# Altium PCB DC Battery Capacity Tester V1.2.PcbDoc (part 2 of 2) (continued)
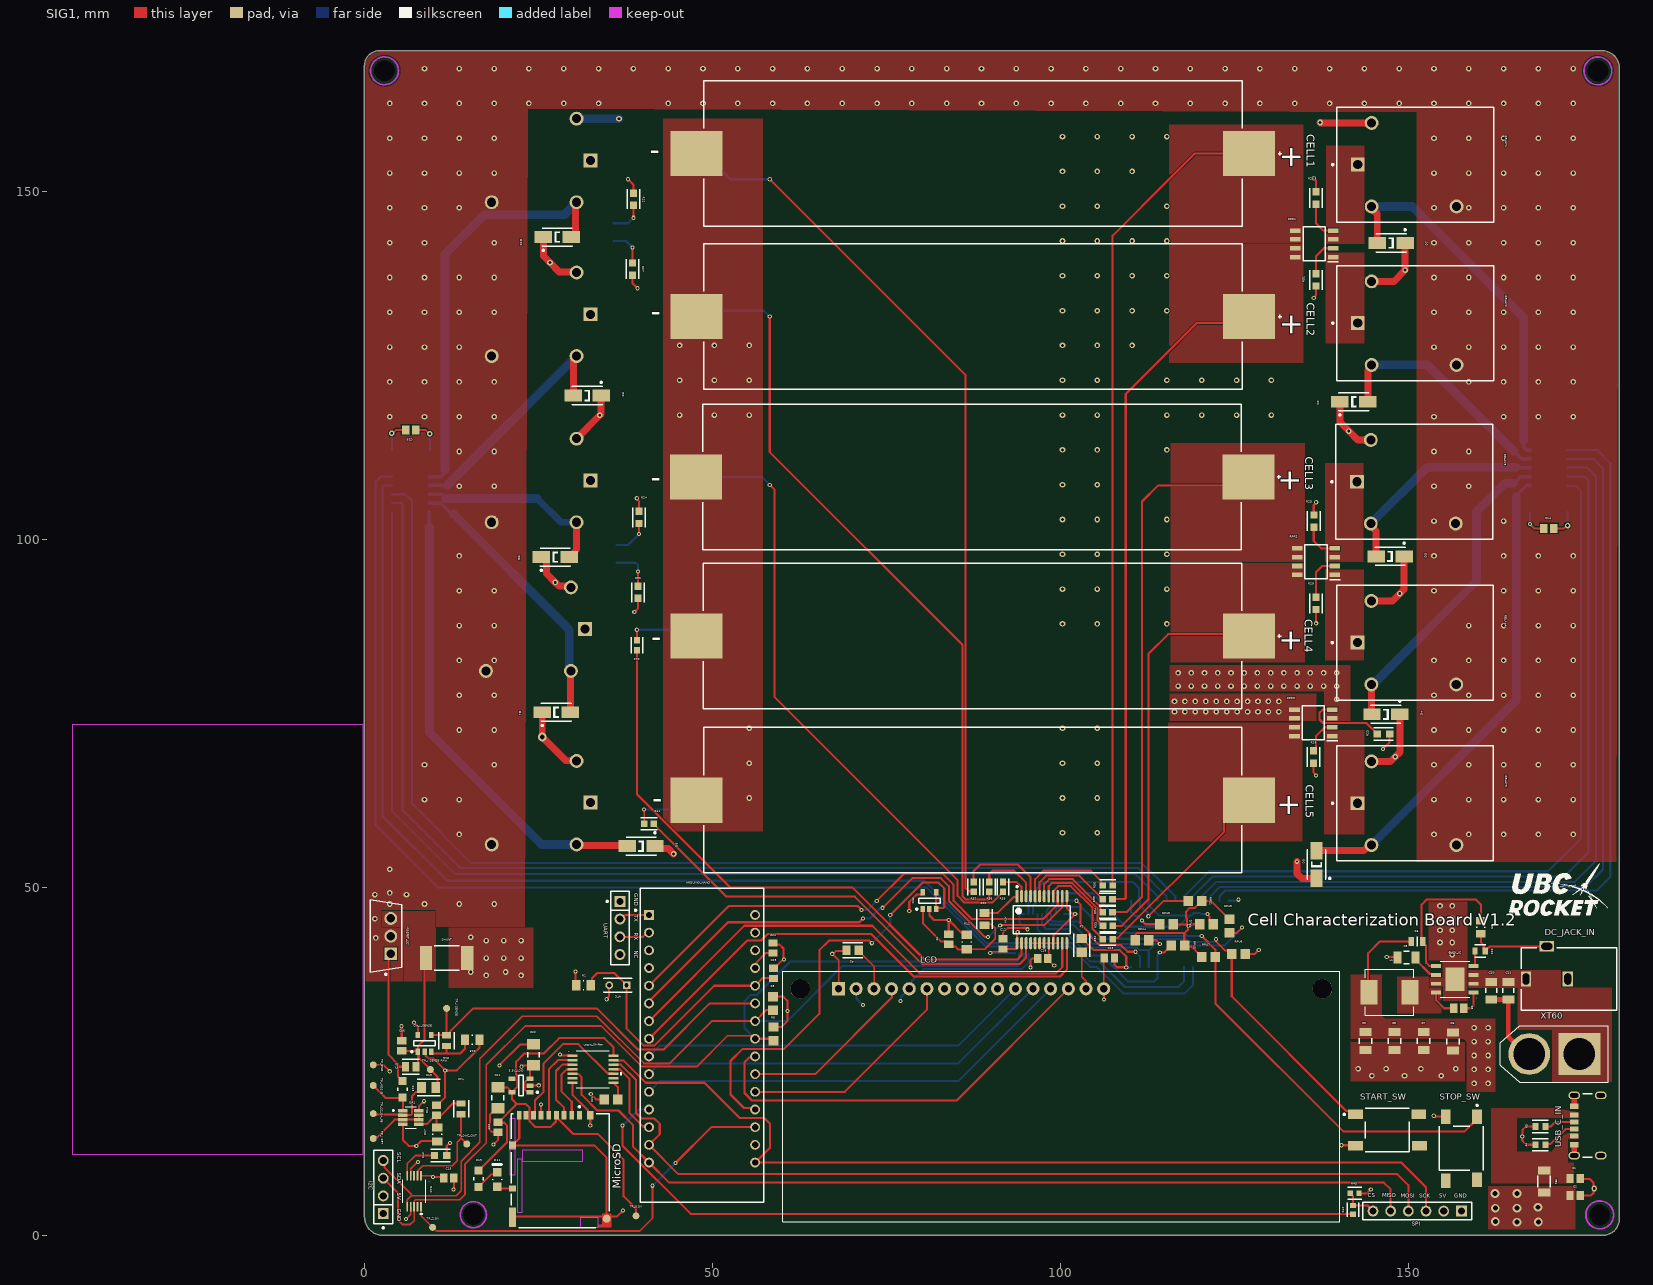
[diagram p0: SIG1 view]
## Nets (pads, with @x,y where several pads share a name; then routed paths per layer and width w, separated by ;. In a path a pad name is that pad's centre, name@x,y a point inside that pad or via, vN(x,y) a via of type N, cw(c..) or ccw(c..) an arc to the next point about the centre after c; other vN are vias at no path point) (continued)
  SIG2 w1.25: RELAY5.2@144.648,56.061 165.45,76.863 165.45,106.1
NetD6_1: D6.1 RELAY6.2 RELAY_DRIVER_2.16 | length 66.8
  SIG1 w1: RELAY6.2@30.472,56.143 30.591,56.024 37.607,56.024 D6.1@37.726,55.905
  SIG2 w0.5: 9.329,101.715 RELAY_DRIVER_2.16@9.329,103.911
  SIG2 w1.25: 9.329,101.715 9.329,72.281 25.467,56.143 RELAY6.2@30.472,56.143
NetD7_1: D7.1 RELAY7.2 RELAY_DRIVER_2.15 | length 39.6
  SIG1 w1: D7.1@29.534,75.133 29.59,75.189 29.59,81.015 RELAY7.2@29.646,81.071
  SIG2 w0.5: RELAY_DRIVER_2.15@9.329,105.181 9.379,105.131 10.975,105.131 12.5,103.607 12.776,103.607
  SIG2 w1.25: 12.776,103.607 29.404,86.978 29.404,81.843 29.503,81.745 29.503,81.215 RELAY7.2@29.646,81.071
NetD8_1: D8.1 RELAY8.2 RELAY_DRIVER_2.14 | length 28.5
  SIG1 w1: D8.1@29.404,97.415 29.804,97.415 30.154,97.765 30.154,98.165 30.472,98.482 RELAY8.2@30.472,102.423
  SIG2 w0.5: RELAY_DRIVER_2.14@9.329,106.451 11.091,106.451 11.705,105.837
  SIG2 w1: 24.795,105.837 28.21,102.423 RELAY8.2@30.472,102.423
  SIG2 w1.25: 11.705,105.837 24.795,105.837
NetD9_1: D9.1 RELAY9.2 RELAY_DRIVER_2.13 | length 34.7
  SIG1 w1: D9.1@30.004,120.625 30.004,125.56 30.472,126.027 RELAY9.2@30.472,126.298
  SIG2 w0.5: RELAY_DRIVER_2.13@9.329,107.721 11.887,107.721
  SIG2 w1.25: 11.887,107.721 11.895,107.721 RELAY9.2@30.472,126.298
NetD10_1: D10.1 RELAY10.2 RELAY_DRIVER_2.12 | length 60.9
  SIG1 w1: D10.1@29.686,143.383 29.93,143.383 30.28,143.733 30.28,148.201 RELAY10.2@30.472,148.392
  SIG2 w0.5: RELAY_DRIVER_2.12@9.329,108.991 11.03,108.991 11.557,109.518
  SIG2 w1.25: 11.557,109.961 11.557,140.945 17.204,146.592 28.672,146.592 RELAY10.2@30.472,148.392
NetD11_1: D11.1 MicroSD.10 | length 2.3
  SIG1 w0.25: D11.1@19.062,6.952 19.289,6.725 MicroSD.10@21.275,6.725
NetD11_2: D11.2 R19.1 | length 3.5
  SIG1 w0.25: R19.1@16.4,6.954 18.234,8.788 18.798,8.788 D11.2@19.062,9.052
NetDAC_2: DAC.2 pad.TP_3.3V@14.692,13.118 R14.2 | length 15.1
  SIG1 w0.25: DAC.2@7.642,8.541 7.652,8.552 7.652,9.268 8.361,9.977 12.629,9.977 13.338,10.686 13.338,13.373 13.888,13.923
  SIG1 w0.3: R14.2@13.888,17.378 13.888,13.923 pad.TP_3.3V@14.692,13.118
NetDAC_5: DAC.5 R12.2 | length 6.1
  SIG1 w0.25: DAC.5@6.142,8.541 6.152,8.552 6.152,10.317 7.288,11.453 R12.2@10.035,11.453
NetI2C_EXPANDER_8: I2C_EXPANDER.8 LINE_DECODER.23 RPU5.1 | length 55.5
  SIG1 w0.3: v2(102.291,48.058) 102.822,47.528 102.822,44.727 104.043,43.505 104.043,43.194 105.542,41.695 108.656,41.695 109.626,40.725 v2(110.74,40.725) ; RPU5.1@124.257,43.44 125.304,43.44 v2(126.06,44.196)
  SIG2 w0.3: v2(102.291,48.058) 102.284,48.066 99.334,48.066 98.117,46.849 98.117,46.718 97.957,46.558 I2C_EXPANDER.8@97.957,46.158 98.007,46.108 98.007,45.073 98.478,44.602 101.836,44.602 104.585,41.853 112.266,41.853 112.962,42.549 117.372,42.549 118.307,41.614 123.478,41.614 v2(126.06,44.196) ; v2(110.74,40.725) 111.379,40.086 LINE_DECODER.23@111.379,38.558
NetI2C_EXPANDER_9: I2C_EXPANDER.9 RPU6.1 START_SW.1 | length 60.6
  SIG1 w0.3: v2(122.335,42.52) 122.359,42.496 122.359,42.154 123.628,40.885 124.096,40.885 RPU6.1@124.577,40.403 124.577,34.325 141.043,17.86 141.857,17.86 START_SW.1@142.343,17.373
  SIG2 w0.3: I2C_EXPANDER.9@98.607,46.158 98.607,45.308 98.816,45.099 102.449,45.099 104.953,42.596 112.387,42.596 112.779,42.989 117.554,42.989 118.434,42.109 121.924,42.109 v2(122.335,42.52)
NetI2C_EXPANDER_10: I2C_EXPANDER.10 RPU7.1 STOP_SW.1 | length 80.3
  SIG1 w0.3: v2(120.269,42.989) 122.224,41.034 RPU7.1@122.224,40 122.224,33.3 140.601,14.923 158.03,14.923 159.811,16.705 STOP_SW.1@159.811,17.055
  SIG2 w0.3: I2C_EXPANDER.10@99.257,46.158 99.307,46.208 99.307,46.808 99.658,47.159 102.955,47.159 106.686,43.429 117.736,43.429 118.176,42.989 v2(120.269,42.989)
NetLCD_3: LCD.3 R2.2 | length 6.4
  SIG1 w0.25: R2.2@70.997,40.928 70.997,40.825 73.207,38.615 LCD.3@73.207,35.414
NetLCD_15: LCD.15 R7.2 | length 4.8
  SIG1 w0.25: R7.2@103.022,40.678 103.022,37.162 103.687,36.498 LCD.15@103.687,36.201
NetLINE_DECODER_1: LINE_DECODER.1 RPU8.2 | length 6.5
  SIG1 w0.3: v2(111.674,45.234) 111.674,45.181 112.177,44.679 RPU8.2@114.244,44.679
  SIG2 w0.3: LINE_DECODER.1@110.109,48.058 110.109,46.411 110.679,45.842 111.066,45.842 v2(111.674,45.234)
NetLogic_Shifter_2: Logic_Shifter.2 MicroSD.5 | length 10.5
  SIG1 w0.3: MicroSD.5@26.475,17.225 26.475,23.835 27.799,25.159 Logic_Shifter.2@29.865,25.159
NetLogic_Shifter_3: Logic_Shifter.3 MicroSD.3 | length 9.6
  SIG1 w0.3: MicroSD.3@28.675,17.225 28.675,18.298 27.511,19.462 27.511,23.597 28.424,24.509 Logic_Shifter.3@29.865,24.509
NetLogic_Shifter_4: Logic_Shifter.4 MicroSD.2 | length 8.3
  SIG1 w0.3: MicroSD.2@29.775,17.225 29.775,19.191 28.325,20.641 28.325,23.11 29.047,23.832 29.838,23.832 Logic_Shifter.4@29.865,23.859
NetLogic_Shifter_8: Logic_Shifter.8 R21.1 | length 2.6
  SIG1 w0.3: Logic_Shifter.8@35.765,21.909 36.4,21.274 R21.1@36.4,19.529
NetLogic_Shifter_10: Logic_Shifter.10 MicroSD.7 | length 21
  SIG1 w0.3: MicroSD.7@24.275,17.225 24.475,17.425 24.475,19.36 25.725,20.61 25.725,24.692 28.49,27.457 30.729,27.457 34.949,23.237 35.738,23.237 Logic_Shifter.10@35.765,23.209
NetMOSFET_CC_2: MOSFET_CC.2 RELAY1.3 RELAY2.3 RELAY3.3 RELAY4.3 RELAY5.3 RELAY6.3 RELAY7.3 RELAY8.3 RELAY9.3 RELAY10.3
  other v1: 1.626,42.723 1.499,45.466 3.623,47.586 8.623,47.586 13.623,47.586 18.623,47.586 1.499,48.946 6.034,48.946 3.623,49.174 3.623,52.586 13.623,57.586 153.623,57.586 158.623,57.586 163.623,57.586 168.623,57.586 173.623,57.586 8.623,62.586 13.623,62.586 153.623,62.586 158.623,62.586 163.623,62.586 168.623,62.586 173.623,62.586 8.623,67.586 18.623,67.586 153.623,67.586 158.623,67.586 163.623,67.586 168.623,67.586 173.623,67.586 13.623,72.586 18.623,72.586 153.623,72.586 158.623,72.586 163.623,72.586 168.623,72.586 173.623,72.586 13.623,77.586 18.623,77.586 153.623,77.586 158.623,77.586 163.623,77.586 168.623,77.586 173.623,77.586 13.623,82.586 18.623,82.586 153.623,82.586 158.623,82.586 163.623,82.586 168.623,82.586 173.623,82.586 13.623,87.586 18.623,87.586 158.623,87.586 163.623,87.586 168.623,87.586 173.623,87.586 13.623,92.586 18.623,92.586 153.623,92.586 163.623,92.586 168.623,92.586 173.623,92.586 13.623,97.586 153.623,97.586 163.623,97.586 168.623,97.586 173.623,97.586 153.623,102.586 163.623,102.586 13.623,107.586 18.623,107.586 153.623,107.586 158.623,107.586 13.623,112.586 18.623,112.586 153.623,112.586 158.623,112.586 3.623,117.586 8.623,117.586 13.623,117.586 18.623,117.586 153.623,117.586 163.623,117.586 168.623,117.586 173.623,117.586 3.623,122.586 8.623,122.586 13.623,122.586 18.623,122.586 158.623,122.586 163.623,122.586 168.623,122.586 173.623,122.586 3.623,127.586 8.623,127.586 13.623,127.586 153.623,127.586 158.623,127.586 163.623,127.586 168.623,127.586 173.623,127.586 3.623,132.586 8.623,132.586 13.623,132.586 18.623,132.586 153.623,132.586 158.623,132.586 163.623,132.586 168.623,132.586 173.623,132.586 3.623,137.586 8.623,137.586 13.623,137.586 18.623,137.586 153.623,137.586 158.623,137.586 163.623,137.586 168.623,137.586 173.623,137.586 3.623,142.586 8.623,142.586 18.623,142.586 153.623,142.586 158.623,142.586 163.623,142.586 168.623,142.586 173.623,142.586 3.623,147.586 8.623,147.586 13.623,147.586 153.623,147.586 158.623,147.586 163.623,147.586 168.623,147.586 173.623,147.586 3.623,152.586 8.623,152.586 13.623,152.586 18.623,152.586 153.623,152.586 158.623,152.586 163.623,152.586 168.623,152.586 173.623,152.586 3.623,157.586 8.623,157.586 13.623,157.586 18.623,157.586 153.623,157.586 158.623,157.586 163.623,157.586 168.623,157.586 173.623,157.586 3.623,162.586 8.623,162.586 13.623,162.586 18.623,162.586 23.623,162.586 28.623,162.586 33.623,162.586 43.623,162.586 48.623,162.586 53.623,162.586 58.623,162.586 63.623,162.586 68.623,162.586 73.623,162.586 78.623,162.586 83.623,162.586 88.623,162.586 93.623,162.586 98.623,162.586 103.623,162.586 108.623,162.586 113.623,162.586 118.623,162.586 123.623,162.586 128.623,162.586 133.623,162.586 138.623,162.586 143.623,162.586 148.623,162.586 153.623,162.586 158.623,162.586 163.623,162.586 168.623,162.586 173.623,162.586 8.623,167.586 13.623,167.586 18.623,167.586 23.623,167.586 28.623,167.586 33.623,167.586 38.623,167.586 43.623,167.586 48.623,167.586 53.623,167.586 58.623,167.586 63.623,167.586 68.623,167.586 73.623,167.586 78.623,167.586 83.623,167.586 88.623,167.586 93.623,167.586 98.623,167.586 103.623,167.586 108.623,167.586 113.623,167.586 118.623,167.586 123.623,167.586 128.623,167.586 133.623,167.586 138.623,167.586 143.623,167.586 148.623,167.586 153.623,167.586 158.623,167.586 163.623,167.586 168.623,167.586 173.623,167.586
NetMUX_1: MUX.1 R10.2 | length 5.7
  SIG1 w0.3: R10.2@89.07,46.309 90.966,46.309 93.25,48.593 93.675,48.593 93.732,48.651 MUX.1@93.732,48.707
NetMUX_2: MUX.2 R39.2 | length 4.8
  SIG1 w0.3: R39.2@91.712,50.74 93.684,50.74 94.36,50.063 94.36,48.214 MUX.2@94.382,48.192
NetMUX_3: MUX.3 R38.2 | length 9.7
  SIG1 w0.3: R38.2@89.738,50.74 89.738,51.906 90.194,52.362 93.305,52.362 95.032,50.635 MUX.3@95.032,48.315
NetMUX_4: MUX.4 R37.2 | length 14.3
  SIG1 w0.3: R37.2@87.507,50.756 87.507,52.324 88.447,53.264 93.83,53.264 95.682,51.412 MUX.4@95.682,48.017
NetMUX_5: MUX.5 R36.2 | length 14.5
  SIG1 w0.3: MUX.5@96.332,48.032 96.332,51.166 97.528,52.362 104.338,52.362 105.771,50.929 105.771,50.545 R36.2@106.065,50.251
NetMUX_6: MUX.6 R35.2 | length 12.9
  SIG1 w0.3: MUX.6@96.982,48.707 96.982,50.716 97.93,51.664 102.664,51.664 105.711,48.616 105.711,48.593 106.017,48.287 R35.2@106.04,48.287
NetMUX_7: MUX.7 R34.2 | length 12.7
  SIG1 w0.3: MUX.7@97.632,48.707 97.632,50.446 98.352,51.166 101.75,51.166 105.711,47.205 105.711,46.706 105.953,46.464 R34.2@106.065,46.464
NetMUX_8: MUX.8 R33.2 | length 13
  SIG1 w0.3: MUX.8@98.282,48.707 98.29,48.715 98.29,50.159 98.766,50.635 101.617,50.635 105.271,46.98 105.271,45.234 105.97,44.535 R33.2@106.065,44.535
NetMUX_9: MUX.9 R32.2 | length 13.1
  SIG1 w0.3: MUX.9@98.932,48.707 98.932,49.407 99.085,49.559 99.085,49.582 99.653,50.15 101.464,50.15 104.585,47.029 104.585,43.997 105.736,42.847 105.736,42.824 106.042,42.518 R32.2@106.065,42.518
NetMUX_22: MUX.22 R41.2 | length 64.3
  SIG1 w0.25: R41.2@41.571,59.131 41.594,59.131 41.925,58.8 41.925,58.714 42.649,57.99
  SIG1 w0.3: 42.649,57.99 44.857,55.782 51.996,48.643 70.437,48.643 80.128,38.951 94.081,38.951 95.032,39.902 MUX.22@95.032,41.956
NetMUX_23: MUX.23 R40.2 | length 87.7
  SIG1 w0.3: R40.2@39.141,84.058 39.141,63.377 52.574,49.944 70.121,49.944 80.442,39.624 93.74,39.624 94.382,40.267 MUX.23@94.382,41.956
NetOA_I_SENSE_3: OA_I_SENSE.3 R16.2 R18.1 | length 7.7
  SIG1 w0.25: 11.756,26.107 11.763,26.114 R16.2@11.763,27.181
  SIG1 w0.3: OA_I_SENSE.3@9.575,26.382 9.575,26.282 9.75,26.107 11.756,26.107 13.761,26.107 14.442,26.789 R18.1@14.442,28.082
NetR3_2: R3.2 USB_C_IN.A5 | length 4.4
  SIG1 w0.3: R3.2@169.685,15.623 170.386,15.623 171.036,16.273 USB_C_IN.A5@173.781,16.273
NetR4_2: R4.2 USB_C_IN.B5 | length 5
  SIG1 w0.3: R4.2@169.703,13.022 169.77,13.09 170.345,13.09 172.529,15.273 USB_C_IN.B5@173.781,15.273
NetR22_1: R22.1 RPR5.4 | length 5
  SIG1 w0.3: v2(38.623,146.152) R22.1@38.623,147.955
  SIG2 w0.3: RPR5.4@35.791,145.372 37.844,145.372 v2(38.623,146.152)
NetR23_1: R23.1 RPR3.4 | length 12.1
  SIG1 w0.3: RPR3.4@139.008,75.514 137.648,75.514 137.183,75.049 137.183,74.095 137.689,73.589 143.907,73.589 145.467,72.029 R23.1@145.49,72.029
NetR24_1: R24.1 RPR4.4 | length 5.4
  SIG1 w0.3: v2(39.446,100.745) R24.1@39.446,102.253
  SIG2 w0.3: RPR4.4@36.184,99.15 37.851,99.15 v2(39.446,100.745)
NetR25_1: R25.1 RPR2.4 | length 5.4
  SIG1 w0.3: R25.1@136.357,101.709 136.357,99.73 137.408,98.679 RPR2.4@139.389,98.679
NetR26_1: R26.1 RPR1.4 | length 5.6
  SIG1 w0.3: R26.1@136.677,148.12 136.677,145.374 137.728,144.323 RPR1.4@139.129,144.323
NetR27_1: R27.1 RPR5.2 | length 5.3
  SIG1 w0.3: R27.1@38.503,139.659 v2(38.503,141.887)
  SIG2 w0.3: RPR5.2@35.791,142.832 37.558,142.832 v2(38.503,141.887)
NetR28_1: R28.1 RPR3.2 | length 5.1
  SIG1 w0.3: R28.1@136.296,69.585 136.652,69.941 136.652,71.662 137.965,72.974 RPR3.2@139.008,72.974
NetR29_1: R29.1 RPR2.2 | length 6.7
  SIG1 w0.3: R29.1@136.677,91.644 136.677,95.219 137.597,96.139 RPR2.2@139.389,96.139
NetR30_1: R30.1 RPR4.2 | length 6.3
  SIG1 w0.3: R30.1@39.296,93.241 v2(39.296,95.34)
  SIG2 w0.3: RPR4.2@36.184,96.61 38.933,96.61 39.296,96.246 v2(39.296,95.34)
NetR31_1: R31.1 RPR1.2 | length 5.4
  SIG1 w0.3: R31.1@136.677,138.113 136.677,140.636 137.824,141.783 RPR1.2@139.129,141.783
NetR42_1: R42.1 R43.2 SPI.6 | length 5.1
  SIG1 w0.3: R43.2@141.613,6.02 141.613,5.993 141.992,5.614 R42.1@141.992,4.274 144.067,4.274 SPI.6@144.861,3.48
RD1: LINE_DECODER.11 RELAY_DRIVER_1.1 | length 124.3
  SIG2 w0.3: LINE_DECODER.11@122.809,48.058 122.809,48.708 123.631,49.53 177.013,49.53 178.943,51.46 178.943,110.922 177.063,112.801 RELAY_DRIVER_1.1@172.821,112.801
RD2: LINE_DECODER.10 RELAY_DRIVER_1.2 | length 121.8
  SIG2 w0.3: LINE_DECODER.10@121.539,48.058 121.539,48.708 122.886,50.056 175.405,50.056 177.902,52.553 177.902,110.109 176.479,111.531 RELAY_DRIVER_1.2@172.821,111.531
RD3: LINE_DECODER.9 RELAY_DRIVER_1.3 | length 119.2
  SIG2 w0.3: LINE_DECODER.9@120.269,48.058 120.269,48.708 122.335,50.775 173.863,50.775 176.899,53.811 176.899,108.991 175.629,110.261 RELAY_DRIVER_1.3@172.821,110.261
RD4: LINE_DECODER.8 RELAY_DRIVER_1.4 | length 116.8
  SIG2 w0.3: LINE_DECODER.8@118.999,48.058 118.999,48.708 121.802,51.511 172.295,51.511 175.845,55.061 175.845,108.432 175.285,108.991 RELAY_DRIVER_1.4@172.821,108.991
RD5: LINE_DECODER.7 RELAY_DRIVER_1.5 | length 113.2
  SIG2 w0.3: LINE_DECODER.7@117.729,48.058 117.729,48.708 121.319,52.299 169.995,52.299 174.752,57.056 174.752,106.903 174.042,107.612 172.93,107.612 RELAY_DRIVER_1.5@172.821,107.721
RD6: LINE_DECODER.4 RELAY_DRIVER_2.1 | length 158.6
  SIG2 w0.3: RELAY_DRIVER_2.1@3.929,103.911 3.929,61.004 13.058,51.875 110.753,51.875 113.919,48.708 LINE_DECODER.4@113.919,48.058
RD7: LINE_DECODER.5 RELAY_DRIVER_2.2 | length 161
  SIG2 w0.3: RELAY_DRIVER_2.2@3.929,105.181 5.256,105.181 5.432,105.006 5.432,61.091 13.771,52.751 111.146,52.751 115.189,48.708 LINE_DECODER.5@115.189,48.058
RD8: LINE_DECODER.6 RELAY_DRIVER_2.3 | length 162.6
  SIG2 w0.3: RELAY_DRIVER_2.3@3.929,106.451 5.869,106.451 6.839,105.481 6.839,61.979 15.352,53.467 111.645,53.467 113.436,51.676 113.492,51.676 116.459,48.708 LINE_DECODER.6@116.459,48.058
RD9: LINE_DECODER.18 RELAY_DRIVER_2.4 | length 176.5
  SIG2 w0.3: RELAY_DRIVER_2.4@3.929,107.721 2.741,107.721 2.565,107.546 2.565,60.231 11.87,50.927 80.419,50.927 89.39,41.956 101.588,41.956 104.226,39.318 105.584,39.318 109.24,35.662 116.91,35.662 117.729,36.481 LINE_DECODER.18@117.729,38.558
RD10: LINE_DECODER.17 RELAY_DRIVER_2.5 | length 182.5
  SIG2 w0.3: RELAY_DRIVER_2.5@3.929,108.991 2.332,108.991 1.597,108.257 1.597,58.935 10.588,49.944 80.78,49.944 89.266,41.458 101.341,41.458 104.241,38.558 105.155,38.558 108.964,34.749 117.807,34.749 118.999,35.941 LINE_DECODER.17@118.999,38.558
SPI_CS: ARDUINO_NANO.12 R42.2 | length 116.3
  SIG1 w0.3: v2(37.075,15.779) 37.075,12.836 46.837,3.073 141.582,3.073 R42.2@141.636,3.02
  SIG2 w0.3: v2(37.075,15.779) 39.368,18.072 ARDUINO_NANO.12@40.869,18.072
"SPI_MISO 5V": ARDUINO_NANO.15 Logic_Shifter.5 SPI.5 | length 130.8
  SIG1 w0.3: Logic_Shifter.5@29.865,23.209 29.893,23.182 30.699,23.182 31.194,22.686 31.194,20.173 33.443,17.925 36.493,17.925 38.584,15.834 38.584,12.736 ARDUINO_NANO.15@40.869,10.452 43.749,7.572 146.43,7.572 147.401,6.601 SPI.5@147.401,3.48
"SPI_MOSI 5V": ARDUINO_NANO.14 Logic_Shifter.12 SPI.4 | length 131.8
  SIG1 w0.3: Logic_Shifter.12@35.765,24.509 36.807,24.509 38.999,22.318 38.999,17.575 39.799,16.775 41.638,16.775 42.412,16.002 42.412,14.535 ARDUINO_NANO.14@40.869,12.992 45.072,8.788 148.344,8.788 149.941,7.191 SPI.4@149.941,3.48
"SPI_SCK 5V": ARDUINO_NANO.16 Logic_Shifter.13 SPI.3 | length 134
  SIG1 w0.3: Logic_Shifter.13@35.765,25.159 35.792,25.132 37.192,25.132 40.414,21.909 48.83,21.909 53.873,16.866 57.391,16.866 58.242,16.015 58.242,12.586 ARDUINO_NANO.16@56.109,10.452 148.907,10.452 152.481,6.878 SPI.3@152.481,3.48
UART_RX: ARDUINO_NANO.2 UART.3 | length 4.4
  SIG1 w0.3: UART.3@36.681,42.875 39.97,42.875 40.567,43.472 ARDUINO_NANO.2@40.869,43.472
UART_TX: ARDUINO_NANO.1 UART.2 | length 4.4
  SIG1 w0.3: UART.2@36.681,45.415 36.894,45.415 37.491,46.012 ARDUINO_NANO.1@40.869,46.012
V_IN: BUCK_IC.2 BUCK_IC.3 C10.1 C11.1 DC_JACK_IN.1 XT60.P
pads on no net: 3.3V_LDO.4 ARDUINO_NANO.3 ARDUINO_NANO.17 ARDUINO_NANO.28 ARDUINO_NANO.30 DAC.3 DAC.9 I2C_EXPANDER.1 I2C_EXPANDER.11 I2C_EXPANDER.13 I2C_EXPANDER.14 I2C_EXPANDER.15 I2C_EXPANDER.16 I2C_EXPANDER.17 I2C_EXPANDER.18 I2C_EXPANDER.19 I2C_EXPANDER.20 LCD. LCD.7 LCD.8 LCD.9 LCD.10 LINE_DECODER.13 LINE_DECODER.14 LINE_DECODER.15 LINE_DECODER.16 LINE_DECODER.19 LINE_DECODER.20 Logic_Shifter.6 Logic_Shifter.9 MicroSD.1 MicroSD.8 RELAY_DRIVER_1.6 RELAY_DRIVER_1.7 RELAY_DRIVER_1.10 RELAY_DRIVER_1.11 RELAY_DRIVER_2.6 RELAY_DRIVER_2.7 RELAY_DRIVER_2.10 RELAY_DRIVER_2.11 START_SW.2 START_SW.4 STOP_SW.2 STOP_SW.4 UART.4

## Polygon pours and split planes (outlines as drawn)
GND on SIG2 "GND_L04_P102" (solid, pour order 102): 0,0 0,34.856 24.722,34.856 24.722,46.565 177.387,46.565 180.238,46.565 180.238,0
NetMOSFET_CC_2 on SIG2 "NETMOSFET_CC_2_L04_P038" (solid, pour order 38): 151.397,161.192 23.481,161.786 23.206,44.425 11.991,44.425 11.87,36.475 0,36.421 0,162.81 0,164.744 0,170.155 5.322,170.147 174.465,170.146 180.238,170.155 180.238,164.368 180.238,162.946 180.238,53.948 151.397,53.948
GND on SIG2 "GND_L04_P092" (solid, pour order 92): 58.903,73.049 134.747,73.049 134.747,55.873 58.903,55.873
CELL6 on SIG2 "CELL6_L04_P083" (solid, pour order 83): 137.896,73.919 141.623,73.919 141.623,82.321 31.598,82.321 31.598,58.788 38.821,58.788 38.984,58.887 38.913,64.033 42.418,64.033 42.418,78.232 137.896,78.232
CELL9 on SIG2 "CELL9_L04_P091" (solid, pour order 91): 36.835,128.453 36.835,141.961 31.53,141.961 31.439,128.453
CELL10 on SIG2 "CELL10_L04_P090" (solid, pour order 90): 31.472,158.372 31.472,143.467 36.903,143.467 37.003,158.372
NetCELL10_2 on SIG2 "NETCELL10_2_L04_P089" (solid, pour order 89): 40.103,143.777 56.393,143.777 56.393,160.528 40.103,160.528
NetCELL9_2 on SIG2 "NETCELL9_2_L04_P088" (solid, pour order 88): 40.157,128.676 56.448,128.676 56.448,143.305 40.157,143.305
NetCELL8_2 on SIG2 "NETCELL8_2_L04_P087" (solid, pour order 87): 40.758,97.555 57.048,97.555 57.048,112.417 40.758,112.417
NetCELL7_2 on SIG2 "NETCELL7_2_L04_P086" (solid, pour order 86): 40.758,82.787 57.048,82.787 57.048,97.415 40.758,97.415
CELL8 on SIG2 "CELL8_L04_P085" (solid, pour order 85): 31.431,112.576 31.431,97.555 37.289,97.555 37.39,112.576
CELL7 on SIG2 "CELL7_L04_P084" (solid, pour order 84): 31.457,96.112 31.457,82.827 31.485,82.855 37.465,82.855 37.554,96.112
NetCELL6_2 on SIG2 "NETCELL6_2_L04_P082" (solid, pour order 82): 136.677,73.711 136.677,77.826 42.977,77.826 42.901,77.902 42.901,59.131 52.154,59.131 52.312,59.29 52.312,73.711
GND on SIG2 "GND_L04_P053" (solid, pour order 53): 135.072,82.067 135.117,159.566 59.157,159.566 59.157,82.067
NetC1_2 on SIG1 "NETC1_2_L01_P100" (solid, pour order 100): 174.381,16.913 174.381,17.673 171.26,18.273 161.851,18.273 161.851,7.494 173.698,7.494 173.698,10.452 172.831,10.452 172.831,13.665 cw(c173.04,13.665) 173.04,13.873 174.381,13.873 174.381,14.633 172.886,14.633 ccw(c172.886,13.675) 172.102,14.226 170.516,11.968 165.532,11.968 165.532,16.705 165.74,16.913 174.381,16.913 165.74,16.913
5V on SIG1 "5V_L01_P099" (solid, pour order 99): 161.41,7.024 173.888,7.024 173.888,0.889 161.41,0.889
NetMOSFET_CC_2 on SIG1 "NETMOSFET_CC_2_L01_P037" (solid, pour order 37): 7.183,170.155 172.879,170.155 174.473,170.155 180.238,170.155 180.242,164.368 179.96,113.99 179.826,53.67 151.179,53.67 151.179,161.327 23.432,161.851 23.052,44.331 10.226,44.331 10.226,46.738 2.374,46.787 2.374,44.145 5.461,44.145 5.461,36.475 -0.064,36.475 -0.15,162.817 -0.153,164.744 0,170.155 5.461,170.155
I_SENSE_RAW on SIG1 "I_SENSE_RAW_L01_P098" (solid, pour order 98): 2.529,46.583 10.267,46.583 10.267,36.475 5.637,36.475 5.637,44.145 2.529,44.145
V_IN on SIG1 "V_IN_L01_P063" (solid, pour order 63): 165.664,35.544 165.664,29.521 170.636,29.521 170.636,22.062 179.146,22.062 179.146,29.29 179.146,35.544 171.819,35.544 171.819,38.092 158.6,38.092 158.6,35.544
GND on SIG1 "GND_L01_P093" (solid, pour order 93): 152.961,36.994 154.9,36.994 154.9,39.504 152.861,39.504 152.861,47.879 158.432,47.879 158.432,33.714 154.939,33.714 154.939,35.74 152.961,35.74
NetCELL4_2 on SIG1 "NETCELL4_2_L01_P075" (solid, pour order 75): 135.077,82.321 115.83,82.321 115.83,96.518 135.077,96.518
CELL6 on SIG1 "CELL6_L01_P081" (solid, pour order 81): 137.896,78.132 137.896,73.919 141.623,73.919 141.623,81.916 115.672,81.916 115.672,78.132
NetCELL6_2 on SIG1 "NETCELL6_2_L01_P080" (solid, pour order 80): 115.672,77.826 136.677,77.826 136.677,73.919 115.672,73.919
CELL5 on SIG1 "CELL5_L01_P077" (solid, pour order 77): 137.896,57.586 143.612,57.586 143.612,72.535 137.896,72.535
NetCELL5_2 on SIG1 "NETCELL5_2_L01_P076" (solid, pour order 76): 134.696,70.776 132.222,70.776 134.696,70.776 134.696,70.411 134.668,56.589 115.449,56.589 115.449,73.609 134.696,73.609
NetCELL3_2 on SIG1 "NETCELL3_2_L01_P074" (solid, pour order 74): 115.83,113.822 115.859,113.794 135.077,113.794 135.077,96.774 115.83,96.774
CELL3 on SIG1 "CELL3_L01_P073" (solid, pour order 73): 137.978,96.774 143.485,96.774 143.485,110.871 137.978,110.871
CELL4 on SIG1 "CELL4_L01_P072" (solid, pour order 72): 138.033,82.586 143.54,82.586 143.54,95.594 138.033,95.594
CELL2 on SIG1 "CELL2_L01_P071" (solid, pour order 71): 138.1,128.118 143.606,128.118 143.606,141.142 138.1,141.142
NetCELL2_2 on SIG1 "NETCELL2_2_L01_P070" (solid, pour order 70): 115.57,142.412 115.599,142.383 134.817,142.383 134.817,125.363 115.57,125.363
NetCELL1_2 on SIG1 "NETCELL1_2_L01_P068" (solid, pour order 68): 115.57,159.566 115.599,159.537 134.817,159.537 134.817,142.518 115.57,142.518
CELL1 on SIG1 "CELL1_L01_P069" (solid, pour order 69): 138.117,142.418 143.623,142.418 143.623,156.515 138.117,156.515
GND on SIG1 "GND_L01_P067" (solid, pour order 67): 12.138,44.145 12.172,44.179 24.275,44.179 24.275,35.576 12.138,35.576
GND on SIG1 "GND_L01_P065" (solid, pour order 65): 141.636,27.725 158.031,27.725 158.031,22.112 141.636,22.112
5V on SIG1 "5V_L01_P062" (solid, pour order 62): 141.636,37.409 141.636,28.203 157.698,28.203 cw(c157.698,27.603) 158.298,27.603 158.298,20.599 162.432,20.599 162.432,31.1 146.893,31.1 cw(c146.892,31.885) 146.106,31.885 146.106,37.409
NetBUCK_IC_8 on SIG1 "NETBUCK_IC_8_L01_P064" (solid, pour order 64): 148.316,31.885 154.637,31.885 154.637,35.544 152.861,35.544 152.861,37.13 148.316,37.13 148.316,37.017 148.316,37.13 148.316,37.017
GND on SIG1 "GND_L01_P054" (solid, pour order 54): 42.901,160.392 57.198,160.392 57.198,58.064 42.901,58.064
GND on GND "GND_L02_P095" (solid, pour order 95): 0,170.155 180.238,170.155 180.238,8.875 180.238,5.74 180.238,0 174.638,0 171.363,0 0,0
5V on PWR "5V_L03_P097" (solid, pour order 97): 0,170.155 180.238,170.155 180.238,0 0,0

## Keep-outs
SIG1:
  region: -24.994,11.596 -41.097,11.596 -41.91,11.596 -41.91,31.738 -41.91,73.394 -0.254,73.394 -0.254,11.596
Keep-Out Layer:
  circle w0.254: c2.87,167.28 r2
  circle w0.254: c177.165,167.261 r2
  circle w0.254: c177.438,2.932 r2
  circle w0.254: c15.638,2.962 r1.871

## Silkscreen, mask and mechanical layers (free items; w line width, h text height)
Top Overlay:
  drawing of 24 lines, arcs and shapes, not listed
  text "+" at 131.86,156.593 h3 r270
  text "-" at 40.998,154.46 h3
  text "+" at 131.86,132.552 h3 r270
  text "-" at 41.097,131.31 h3
  text "+" at 131.606,110.077 h3 r270
  text "-" at 41.097,107.456 h3
  text "+" at 131.758,87.097 h3 r270
  text "-" at 41.178,84.57 h3
  text "+" at 131.464,63.48 h3 r270
  text "-" at 41.3,61.319 h3
  text "GND" at 38.521,49.149 h1 r270
  text "TX" at 38.506,46.012 h1 r270
  text "Cell Characterization Board V1.2" at 126.848,43.915 h3
  text "RX" at 38.506,43.472 h1 r270
  text "NC" at 38.511,40.903 h1 r270
  text "TP_I SENSE" at 12.93,33.958 h0.5 r270
  text "TP_GND" at 2.281,25.31 h0.5 r270
  text "TP_I SENSE RAW" at 8.3,24.751 h0.5
  text "TP_MOS G" at 2.226,22.591 h0.5 r270
  text "TP_CC_OA_FB" at 2.226,19.091 h0.5 r270
  text "TP_I SET" at 2.281,14.979 h0.5 r270
  text "TP_DAC_OUT" at 13.338,13.989 h0.5
  text "SCL" at 4.5,11.959 h1 r270
  text "SDA" at 4.5,8.967 h1 r270
  text "5V" at 4.5,6.1 h1 r270
  text "CS" at 144.114,5.234 h1
  text "MISO" at 146.214,5.223 h1
  text "MOSI" at 148.867,5.212 h1
  text "SCK" at 151.499,5.202 h1
  text "5V" at 154.399,5.191 h1
  text "GND" at 156.532,5.18 h1
  text "GND" at 4.5,3.798 h1 r270
  text "TP_3.3V" at 38.081,3.813 h0.5
  text "TP_2.5V" at 8.956,2.054 h0.5
Bottom Overlay:
  text "+" at 40.166,156.921 h3 r270
  text "-" at 132.309,153.948 h3
  text "+" at 40.115,133.782 h3 r270
  text "-" at 132.105,130.47 h3
  text "+" at 40.369,109.906 h3 r270
  text "-" at 132.207,107.466 h3
  text "+" at 41.232,87.757 h3 r270
  text "-" at 132.613,84.606 h3
  text "+" at 40.75,63.779 h3 r270
  text "-" at 132.681,60.821 h3
Board:
  lines w0.254: 0,1.547 0,168.905 0.162,169.067 1.087,169.992 1.25,170.155 178.78,170.155 180.238,168.696 180.238,1.369 178.87,0 1.547,0 0,1.547
Top Designator:
  text "GND" at -4.953,32.06 h0.5

## Text inside footprints (layer, text, board x,y; h text height)
BUCK_IC: Top Assembly "RefDes2" at 158.841,37.409 h0.5 r180; Top Assembly "*" at 158.536,35.644 h0.5 r180; Top Overlay "*" at 159.882,34.437 h0.5 r180
DAC: Top Assembly "*" at 7.345,7.811 h0.5 r270; Top Overlay "*" at 8.945,7.752 h0.5 r270
Logic_Shifter: Top Assembly "*" at 30.631,25.066 h0.5; Top Overlay "*" at 29.294,26.037 h0.5